# KiCad board ProDocument_ZYNQ7020_V1_2024-04-10.kicad_pcb (continued)
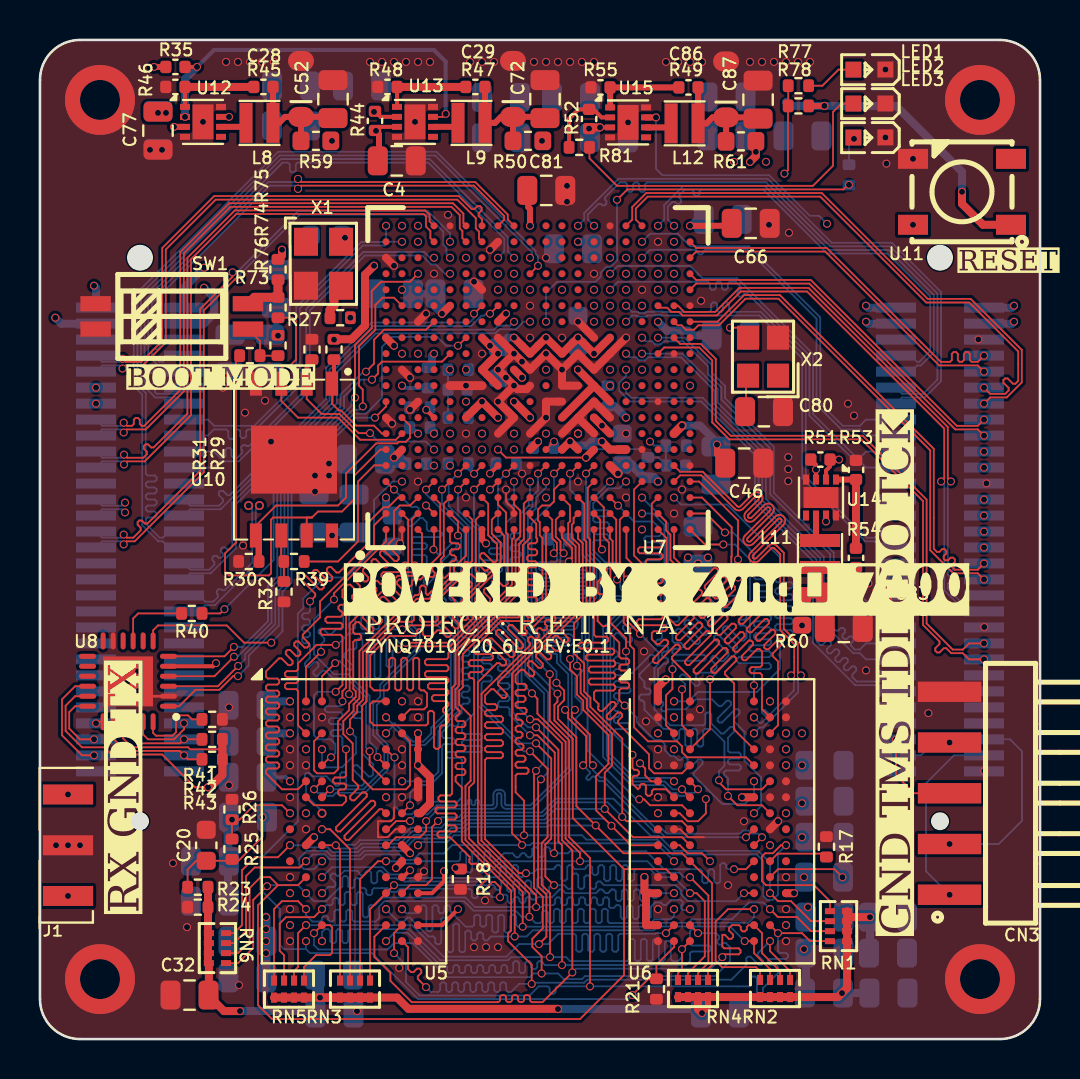
[diagram p0: board, top side]
## Routing (per net, layer and track width the routed paths; a pad name or vN(x,y) marks a point on that pad's centre or on a via; arc(x,y) is an arc through that point) (continued)
DDR_A13: length 59.1
  TOP_GND w0.09: v1(24.5,14.4) 25.38,13.52 25.38,10.11 25.08,9.81 25.08,7.71 25.5,7.3 v1(25.5,4.1) ; U7.D4 v1(19.3,27.5) ; RN4.1 31.9,3.3 32.1,3.5 v1(32.1,4.5) U6.T3
  BOTTOM w0.09: v1(24.5,14.4) 24.2,14.4 21.9,16.7 21.9,20.8 21.23,21.46 21.23,25.34 19.3,27.27 v1(19.3,27.5) ; v1(32.1,4.5) 32.1,4.1 31.9,3.9 31.63,3.9 31.54,3.99 31.54,4.82 31.45,4.91 31.33,4.91 31.24,4.82 31.24,3.99 31.15,3.9 31.03,3.9 30.94,3.99 30.94,4.92 30.85,5.01 30.73,5.01 30.64,4.92 30.64,3.99 30.55,3.9 30.43,3.9 30.34,3.99 30.34,4.92 30.25,5.01 30.13,5.01 30.04,4.92 30.04,3.99 29.95,3.9 29.83,3.9 29.74,3.99 29.74,4.92 29.65,5.01 29.53,5.01 29.44,4.92 29.44,3.99 29.35,3.9 26.5,3.9 26.3,4.1 v1(25.5,4.1) 23.55,4.1 23.4,3.95 20.01,3.94 18.45,5.5 15.5,5.5 15.41,5.41 15.41,4.89 15.32,4.8 15.2,4.8 15.11,4.89 15.11,5.41 15.02,5.5 14.9,5.5 14.81,5.41 14.81,4.89 14.72,4.8 14.6,4.8 14.51,4.89 14.51,5.41 14.42,5.5 14.25,5.5 14.1,5.35 v1(14.1,4.9)
DDR_A14: length 57.5
  TOP_GND w0.09: v1(35.23,4.9) U6.T7 35.7,4.3 36.5,3.5 RN2.2 ; v1(26.1,3.7) 26.1,9.7 25.92,9.88 25.92,14.48 v1(24.8,15.6) ; U7.F4 v1(20.9,27.5)
  BOTTOM w0.09: v1(24.8,15.6) 24.4,15.6 23.66,16.34 23.66,19.81 21.78,21.69 21.77,25.59 20.9,26.46 v1(20.9,27.5) ; v1(35.23,4.9) 34.5,5.63 32.73,5.64 32.5,5.4 32.5,4.8 arc(32.54,4.72) 32.62,4.68 33.42,4.68 arc(33.5,4.64) 33.54,4.56 33.54,4.5 arc(33.5,4.42) 33.42,4.38 32.62,4.38 arc(32.54,4.34) 32.5,4.26 32.5,3.9 32.3,3.7 v1(26.1,3.7) 25.25,3.7 25.16,3.79 25.16,3.81 25.07,3.9 24.95,3.9 24.86,3.81 24.86,3.59 24.77,3.5 24.65,3.5 24.56,3.59 24.56,3.81 24.47,3.9 24.35,3.9 24.26,3.81 24.26,3.39 24.17,3.3 24.05,3.3 23.96,3.39 23.96,3.81 23.87,3.9 23.75,3.9 23.66,3.81 23.66,3.39 23.57,3.3 23.45,3.3 23.36,3.39 23.36,3.61 23.27,3.7 23.15,3.7 23.06,3.61 23.06,3.39 22.97,3.3 22.85,3.3 22.76,3.39 22.76,3.61 22.67,3.7 22.55,3.7 22.46,3.61 22.46,3.39 22.37,3.3 22.25,3.3 22.16,3.39 22.16,3.61 22.07,3.7 21.95,3.7 21.86,3.61 21.86,3.39 21.77,3.3 21.65,3.3 21.56,3.39 21.56,3.61 21.47,3.7 21.35,3.7 21.26,3.61 21.26,3.39 21.17,3.3 21.05,3.3 20.96,3.39 20.96,3.61 20.87,3.7 20.75,3.7 20.66,3.61 20.66,3.39 20.57,3.3 20.45,3.3 20.36,3.39 20.36,3.61 20.27,3.7 20,3.7 18.38,5.32 17.72,5.32 v1(17.3,4.9)
DDR_BA0: length 64.2
  TOP_GND w0.09: 11.9,7.7 11.5,8.1 11.02,8.1 10.48,7.55 10.48,4.88 9.9,4.3 RN6.3 ; 11.9,7.7 10.9,6.7 10.9,1.7 11.6,1 27,1 29.2,3.2 29.2,8.5 ; 11.9,7.7 12.9,7.7 U5.M2 ; 29.2,8.5 31.3,8.5 U6.M2 ; 29.2,8.5 26.64,11.06 26.64,15.02 25.72,15.94 25.72,16.72 25.87,16.88 v1(25.87,17.28) ; U7.L5 v1(24.9,28.3)
  BOTTOM w0.09: v1(24.9,28.3) 24.9,27.45 24.62,27.17 24.62,26.64 24.22,26.23 24.22,20.52 24.62,20.12 24.62,18.54 v1(25.87,17.28)
DDR_BA1: length 45.6
  TOP_GND w0.09: RN1.3 38.55,5.9 37.55,6.9 36.9,6.9 v1(36.5,7.3) ; U5.N8 18.5,7.7 19.3,7.7 19.6,8 19.6,10.61 v1(19.9,10.91)
  BOTTOM w0.09: 26.8,12.03 25.77,12.03 25.09,11.34 21.18,11.34 20.94,11.1 20.09,11.1 v1(19.9,10.91) ; 26.8,12.03 26.8,16.06 27.08,16.34 27.08,16.82 26.77,17.13 26.77,18.07 27.2,18.5 27.2,19.5 27.46,19.76 27.46,21.46 28,22 28,23.86 27.48,24.38 27.48,26.88 v1(28.5,27.9) ; 26.8,12.03 28.67,12.03 30.54,10.16 30.95,10.16 31.69,9.42 35.91,9.42 36.5,8.83 v1(36.5,7.3)
DDR_BA2: length 52.2
  TOP_GND w0.09: U7.J5 v1(23.3,28.3) ; v1(24.6,17.3) 24.87,17.03 24.87,16.28 26.28,14.87 26.28,10.03 27,9.31 v1(27,8.9) ; RN4.3 32.9,3.3 33.42,3.82 33.42,7.18 v1(32.5,8.1)
  BOTTOM w0.09: v1(23.3,28.3) 22.9,27.9 22.9,25.55 22.99,25.46 23.01,25.46 23.1,25.37 23.1,25.25 23.01,25.16 22.7,25.16 22.61,25.07 22.61,24.95 22.7,24.86 23.01,24.86 23.1,24.77 23.1,24.65 23.01,24.56 22.55,24.56 22.46,24.47 22.46,24.35 22.55,24.26 23.01,24.26 23.1,24.17 23.1,24.05 23.01,23.96 22.25,23.96 22.16,23.87 22.16,23.75 22.25,23.66 23.01,23.66 23.1,23.57 23.1,23.45 23.01,23.36 22.26,23.36 22.17,23.27 22.17,23.15 22.26,23.06 22.81,23.06 22.9,22.97 22.9,21.07 24.08,19.89 24.08,17.82 v1(24.6,17.3) ; v1(14.1,8.1) 14.6,8.6 17.13,8.6 17.5,8.23 17.97,8.23 18.02,8.18 18.17,8.18 18.29,8.06 22.21,8.06 22.43,8.28 22.43,8.28 23.05,8.9 v1(27,8.9) 30.36,8.9 30.94,8.32 31.98,8.32 32.2,8.1 v1(32.5,8.1)
DDR_CAS: length 45.7
  TOP_GND w0.09: U6.K3 32.1,10.1 29.65,10.1 v1(28.24,11.51) 28.24,13.33 28.6,13.69 28.6,15.29 27.34,16.55 27.34,17.01 27.03,17.32 27.03,18.5 v1(26.85,18.68) ; RN3.1 15,9.48 v1(14.79,9.7) 14.78,9.7 U5.K3 ; U7.P5 v1(27.3,28.3)
  BOTTOM w0.09: v1(14.79,9.7) 14.94,9.54 15.83,9.54 16.07,9.77 17.99,9.77 18.61,10.4 20.13,10.4 20.48,10.74 21.09,10.74 21.33,10.98 25.23,10.98 25.77,11.51 v1(28.24,11.51) ; v1(26.85,18.68) 26.85,19.45 27.28,19.88 27.28,21.53 27.82,22.07 27.82,23.79 27.3,24.31 v1(27.3,28.3)
DDR_CKE: length 60.3
  TOP_GND w0.09: v1(24.2,10.2) 24.2,11.93 23.78,12.35 23.78,13.19 23.87,13.28 24.33,13.28 24.42,13.37 24.42,13.49 24.33,13.58 23.87,13.58 23.78,13.67 23.78,13.79 23.87,13.88 24.18,13.88 24.27,13.97 24.27,14.09 24.18,14.18 23.87,14.18 23.78,14.27 23.78,14.39 23.87,14.48 24.08,14.48 24.17,14.57 24.17,14.69 24.08,14.78 23.87,14.78 23.78,14.87 23.78,14.99 23.87,15.08 24.03,15.08 24.12,15.17 24.12,15.29 24.03,15.38 23.87,15.38 23.78,15.47 23.78,15.59 23.87,15.68 24.03,15.68 24.12,15.77 24.12,15.89 24.03,15.98 23.87,15.98 23.78,16.07 23.78,16.19 23.87,16.28 24.23,16.28 24.32,16.37 24.32,16.49 24.23,16.58 23.87,16.58 23.78,16.67 23.78,16.79 23.87,16.88 24.18,16.88 24.27,16.97 24.27,17.09 24.18,17.18 23.87,17.18 23.78,17.27 23.78,17.39 23.87,17.48 24.23,17.48 24.32,17.57 24.32,17.69 24.23,17.78 23.87,17.78 23.78,17.87 23.78,18.22 24.05,18.48 24.17,18.48 24.5,18.15 24.63,18.15 24.71,18.24 24.71,18.37 24.38,18.69 24.38,18.82 24.47,18.91 24.6,18.91 24.92,18.58 25.05,18.58 25.14,18.66 25.14,18.79 24.81,19.12 24.81,19.25 24.89,19.33 25.02,19.33 25.35,19 25.48,19 25.56,19.09 25.56,19.21 25.23,19.54 25.23,19.67 25.32,19.75 25.45,19.75 25.77,19.43 25.9,19.43 25.99,19.51 25.99,19.64 25.66,19.97 25.66,20.09 25.74,20.18 25.87,20.18 26.2,19.85 26.32,19.85 26.41,19.94 26.41,20.06 26.08,20.39 26.08,20.52 27.32,21.76 27.32,24.88 27.21,24.99 27.21,26.79 U7.N3 ; v1(37.3,9.7) 37.05,9.7 36.65,9.3 36.26,9.3 36.1,9.14 36.1,7.9 36.3,7.7 38.7,7.7 39.5,6.9 RN1.4
  BOTTOM w0.09: v1(18.9,9.7) 19.05,9.86 20.36,9.85 20.7,10.2 v1(24.2,10.2) 27.1,10.2 27.32,9.98 30.87,9.98 31.62,9.23 35.84,9.23 36.16,8.91 36.16,7.16 36.36,6.96 36.64,6.96 36.9,7.23 36.9,9.3 v1(37.3,9.7)
DDR_CLK_N: length 60.7
  TOP_GND w0.09: U6.K7 v1(36.1,10.1) ; v1(27.64,13.7) 27.49,13.85 27.49,15.24 26.59,16.14 26.59,16.32 v1(26.74,16.47) ; v1(26.18,24.31) 26.03,24.47 26.03,24.9 25.79,25.14 25.79,25.99 U7.M2 ; U5.K7 17.4,9.7 17.8,10.1 19,10.1 19.31,10.41 v1(19.31,10.91)
  BOTTOM w0.09: v1(27.64,13.7) 27.64,13.46 28.02,13.09 28.24,13.09 30.81,10.52 31.1,10.52 31.34,10.28 35.01,10.28 35.16,10.44 35.44,10.44 35.59,10.28 35.92,10.28 v1(36.1,10.1) ; v1(26.18,24.31) 26.22,24.31 ; v1(26.18,24.31) 26.18,24.76 R22.2 ; v1(26.18,24.31) 26.03,24.16 26.03,23.94 arc(25.95,23.76) 25.78,23.69 25.04,23.69 arc(24.99,23.67) 24.97,23.62 24.97,23.54 arc(24.99,23.49) 25.04,23.47 27.19,23.47 arc(27.36,23.39) 27.44,23.22 27.44,23.14 arc(27.36,22.96) 27.19,22.89 25.04,22.89 arc(24.99,22.87) 24.97,22.82 24.97,22.74 arc(24.99,22.69) 25.04,22.67 27.19,22.67 arc(27.36,22.59) 27.44,22.42 27.44,22.34 arc(27.36,22.16) 27.19,22.09 25.04,22.09 arc(24.99,22.07) 24.97,22.02 24.97,21.94 arc(24.99,21.89) 25.04,21.87 26.64,21.87 arc(26.81,21.79) 26.89,21.62 26.89,21.54 arc(26.81,21.36) 26.64,21.29 25.04,21.29 arc(24.99,21.27) 24.97,21.22 24.97,21.14 arc(24.99,21.09) 25.04,21.07 26.64,21.07 arc(26.81,20.99) 26.89,20.82 26.89,20.74 arc(26.81,20.56) 26.64,20.49 25.44,20.49 arc(25.39,20.47) 25.37,20.42 25.37,20.34 arc(25.39,20.29) 25.44,20.27 26.44,20.27 arc(26.61,20.19) 26.69,20.02 26.69,19.94 arc(26.61,19.76) 26.44,19.69 25.44,19.69 arc(25.39,19.67) 25.37,19.62 25.37,19.54 arc(25.39,19.49) 25.44,19.47 25.78,19.47 arc(25.95,19.39) 26.03,19.22 26.03,18.9 26.59,18.34 26.59,16.63 v1(26.74,16.47) 26.59,16.32 26.59,13.51 24.6,11.52 23.32,11.52 arc(23.14,11.59) 23.07,11.77 23.07,12.23 arc(23.05,12.28) 23,12.3 22.92,12.3 arc(22.87,12.28) 22.85,12.23 22.85,11.77 arc(22.78,11.59) 22.6,11.52 19.92,11.52 v1(19.31,10.91)
DDR_CLK_P: length 60.7
  TOP_GND w0.09: v1(18.5,10.91) 17.81,10.91 17.4,10.5 U5.J7 ; U6.J7 v1(35.3,10.1) ; v1(27.15,13.7) 27.31,13.85 27.31,15.16 26.41,16.06 26.41,16.32 v1(26.25,16.47) ; v1(25.69,24.31) 25.85,24.47 25.85,24.83 25.61,25.06 25.61,25.99 U7.L2
  BOTTOM w0.09: v1(18.5,10.91) 18.81,11.22 19.14,11.22 19.17,11.24 19.39,11.24 19.84,11.7 21.29,11.7 arc(21.35,11.72) 21.37,11.78 21.37,11.9 arc(21.39,11.96) 21.45,11.98 21.49,11.98 arc(21.55,11.96) 21.57,11.9 21.57,11.78 arc(21.59,11.72) 21.65,11.7 21.69,11.7 arc(21.75,11.72) 21.77,11.78 21.77,11.9 arc(21.79,11.96) 21.85,11.98 21.89,11.98 arc(21.95,11.96) 21.97,11.9 21.97,11.78 arc(21.99,11.72) 22.05,11.7 22.6,11.7 arc(22.65,11.72) 22.67,11.77 22.67,12.23 arc(22.74,12.4) 22.92,12.48 23,12.48 arc(23.18,12.4) 23.25,12.23 23.25,11.77 arc(23.27,11.72) 23.32,11.7 24.52,11.7 26.41,13.59 26.41,16.32 v1(26.25,16.47) 26.41,16.63 26.41,18.26 25.85,18.83 25.85,19.22 arc(25.82,19.27) 25.78,19.29 25.44,19.29 arc(25.26,19.36) 25.19,19.54 25.19,19.62 arc(25.26,19.79) 25.44,19.87 26.44,19.87 arc(26.48,19.89) 26.51,19.94 26.51,20.02 arc(26.48,20.07) 26.44,20.09 25.44,20.09 arc(25.26,20.16) 25.19,20.34 25.19,20.42 arc(25.26,20.59) 25.44,20.67 26.64,20.67 arc(26.68,20.69) 26.71,20.74 26.71,20.82 arc(26.68,20.87) 26.64,20.89 25.04,20.89 arc(24.86,20.96) 24.79,21.14 24.79,21.22 arc(24.86,21.39) 25.04,21.47 26.64,21.47 arc(26.68,21.49) 26.71,21.54 26.71,21.62 arc(26.68,21.67) 26.64,21.69 25.04,21.69 arc(24.86,21.76) 24.79,21.94 24.79,22.02 arc(24.86,22.19) 25.04,22.27 27.19,22.27 arc(27.23,22.29) 27.26,22.34 27.26,22.42 arc(27.23,22.47) 27.19,22.49 25.04,22.49 arc(24.86,22.56) 24.79,22.74 24.79,22.82 arc(24.86,22.99) 25.04,23.07 27.19,23.07 arc(27.23,23.09) 27.26,23.14 27.26,23.22 arc(27.23,23.27) 27.19,23.29 25.04,23.29 arc(24.86,23.36) 24.79,23.54 24.79,23.62 arc(24.86,23.79) 25.04,23.87 25.78,23.87 arc(25.82,23.89) 25.85,23.94 25.85,24.16 v1(25.69,24.31) 25.69,24.73 R22.1 ; v1(35.3,10.1) 31.26,10.1 31.02,10.34 30.73,10.34 28.16,12.91 27.94,12.91 27.73,13.13 arc(27.67,13.15) 27.62,13.13 27.48,12.99 arc(27.42,12.96) 27.36,12.99 27.34,13.01 arc(27.31,13.07) 27.34,13.13 27.48,13.27 arc(27.5,13.32) 27.48,13.38 v1(27.15,13.7)
DDR_CS: length 44.4
  TOP_GND w0.09: U7.N1 26.9,25.05 27.14,24.81 27.14,21.83 23.6,18.29 23.6,10.3 24.1,9.8 v1(24.1,9.71) ; RN6.2 9.7,4.8 10.3,5.4 10.3,8.15 10.73,8.59 12.98,8.58 v1(13.3,8.9)
  BOTTOM w0.09: v1(31.7,8.9) 30.8,9.8 24.6,9.8 24.51,9.71 v1(24.1,9.71) 20.61,9.71 20.18,9.28 18.98,9.28 18.66,8.97 18.23,8.96 17.96,9.23 16.29,9.23 16.05,9 14.47,9 14.24,9.23 13.64,9.23 v1(13.3,8.9)
DDR_D0: length 26.9
  TOP_GND w0.09: U7.C3 18.5,26.7 17.98,26.7 17.7,26.42 17.7,25.05 17.42,24.78 17.42,24.65 17.93,24.14 17.93,24.01 17.85,23.93 17.72,23.93 17.21,24.44 17.09,24.44 17,24.35 17,24.22 17.4,23.82 17.4,23.69 17.32,23.61 17.19,23.61 16.79,24.01 16.66,24.01 16.58,23.93 16.58,23.8 16.84,23.54 16.84,23.41 16.75,23.33 16.63,23.33 16.36,23.59 16.24,23.59 16.15,23.5 16.15,23.37 16.41,23.11 16.41,22.99 16.33,22.9 16.2,22.9 15.94,23.16 15.81,23.16 15.73,23.08 15.73,22.95 15.99,22.69 15.99,22.56 15.9,22.48 15.78,22.48 15.52,22.74 15.39,22.74 15.12,22.47 15.12,22.12 15.25,22 15.25,21.8 15.19,21.73 15.01,21.73 14.92,21.64 14.92,21.52 15.01,21.43 15.03,21.43 15.12,21.34 15.12,21.22 15.03,21.13 14.36,21.13 14.27,21.04 14.27,20.92 14.36,20.83 15.03,20.83 15.12,20.74 15.12,20.62 15.03,20.53 14.11,20.53 14.02,20.44 14.02,20.32 14.11,20.23 15.03,20.23 15.12,20.14 15.12,17.72 v1(14.78,17.38) ; U5.E3 14.5,14.1 v1(14.55,14.1)
  BOTTOM w0.09: v1(14.78,17.38) 13.88,17.38 13.7,17.2 13.7,15.2 13.9,15 14.53,15 14.77,14.77 14.77,14.32 v1(14.55,14.1)
DDR_D1: length 26.9
  TOP_GND w0.09: U7.B3 17.9,27.1 17.41,26.61 17.17,26.61 16.4,25.84 16.4,24.8 14.95,23.35 14.82,23.35 14.56,23.62 14.43,23.62 14.34,23.53 14.34,23.41 14.61,23.14 14.61,23.01 14.53,22.93 14.4,22.93 13.85,23.48 13.72,23.48 13.64,23.39 13.64,23.26 14.19,22.71 14.19,22.59 14.1,22.5 13.97,22.5 13.14,23.33 13.01,23.33 12.93,23.25 12.93,23.12 13.76,22.29 13.76,22.16 v1(13.5,21.9) ; v1(16.48,14.4) 16.48,13.72 U5.F7
  BOTTOM w0.09: v1(16.48,14.4) 16.3,14.58 16.3,17.1 15.33,18.07 14.63,18.07 14.26,18.44 14.14,18.44 13.88,18.18 13.75,18.18 13.67,18.27 13.67,18.39 13.92,18.65 13.92,18.78 13.84,18.86 13.71,18.86 13.46,18.61 13.33,18.61 13.25,18.69 13.25,18.82 13.5,19.07 13.5,19.72 13.41,19.81 13.2,19.81 13.11,19.9 13.11,20.02 13.2,20.11 13.41,20.11 13.5,20.2 13.5,20.32 13.41,20.41 13.2,20.41 13.11,20.5 13.11,20.62 13.2,20.71 13.41,20.71 13.5,20.8 13.5,20.92 13.41,21.01 13.2,21.01 13.11,21.1 13.11,21.22 13.2,21.31 13.41,21.31 13.5,21.4 v1(13.5,21.9)
DDR_D2: length 30
  TOP_GND w0.09: U7.A2 16.7,25.7 16.7,24.6 14,21.9 14,21.1 13.14,20.24 13.14,20.11 13.44,19.81 13.44,19.68 13.36,19.59 13.23,19.59 12.93,19.9 12.8,19.9 12.71,19.81 12.71,19.69 13.02,19.38 13.02,19.25 12.93,19.17 12.81,19.17 12.5,19.47 12.37,19.47 12.29,19.39 12.29,19.26 12.63,18.92 12.63,18.79 12.54,18.71 12.42,18.71 12.08,19.05 11.95,19.05 11.3,18.4 11.3,18.13 11.39,18.04 11.87,18.04 11.96,17.95 11.96,17.83 11.87,17.74 11.39,17.74 11.3,17.65 11.3,17.53 11.39,17.44 11.87,17.44 11.96,17.35 11.96,17.23 11.87,17.14 11.39,17.14 11.3,17.05 11.3,16.93 11.39,16.84 11.87,16.84 11.96,16.75 11.96,16.63 11.87,16.54 11.39,16.54 11.3,16.45 11.3,16.33 11.39,16.24 11.87,16.24 11.96,16.15 11.96,16.03 11.87,15.94 11.39,15.94 11.3,15.85 11.3,15.73 11.39,15.64 11.87,15.64 11.96,15.55 11.96,15.43 11.87,15.34 11.39,15.34 11.3,15.25 11.3,15.13 11.39,15.04 11.87,15.04 11.96,14.95 11.96,14.83 11.87,14.74 11.39,14.74 11.3,14.65 11.3,14.53 11.39,14.44 11.87,14.44 11.96,14.35 11.96,14.23 11.87,14.14 11.39,14.14 11.3,14.05 11.3,13.93 11.39,13.84 11.87,13.84 11.96,13.75 11.96,13.63 11.87,13.54 11.39,13.54 11.3,13.45 11.3,13.3 12.1,12.5 12.9,12.5 U5.F2
DDR_D3: length 26.9
  TOP_GND w0.09: U7.A4 v1(17.7,27.5)
  BOTTOM w0.09: v1(18.1,12.9) 19.45,12.9 19.92,13.37 19.92,15.42 20.9,16.4 20.9,20.7 20.3,21.3 20.3,21.97 20.21,22.06 19.64,22.06 19.55,22.15 19.55,22.27 19.64,22.36 20.21,22.36 20.3,22.45 20.3,22.8 20.14,22.96 20.14,23.09 20.16,23.1 20.16,23.23 20.07,23.32 19.94,23.32 19.39,22.77 19.27,22.77 19.18,22.85 19.18,22.98 19.59,23.39 19.59,23.51 19.34,23.76 19.34,24.13 19.25,24.22 18.68,24.22 18.59,24.31 18.59,24.43 18.68,24.52 19.25,24.52 19.34,24.61 19.34,24.73 19.25,24.82 18.68,24.82 18.59,24.91 18.59,25.03 18.68,25.12 20,25.12 20.09,25.21 20.09,25.33 20,25.42 19.43,25.42 19.34,25.51 19.34,25.86 19.13,26.07 19,26.07 18.59,25.67 18.47,25.67 18.38,25.75 18.38,25.88 18.93,26.43 18.93,26.56 18.85,26.64 18.72,26.64 18.7,26.62 18.57,26.62 v1(17.7,27.5)
DDR_D4: length 26.9
  TOP_GND w0.09: U7.D3 20.01,26.79 20.01,24.24 18.96,23.19 17.89,23.19 15.48,20.78 15.48,17.29 v1(15.45,17.26)
  BOTTOM w0.09: v1(15.45,17.26) 16.12,16.6 16.12,16.45 16.03,16.36 15.75,16.36 15.66,16.27 15.66,16.15 15.75,16.06 16.03,16.06 16.12,15.97 16.12,14.29 16.65,13.76 16.65,13.23 16.56,13.14 16.43,13.14 15.87,13.7 15.74,13.7 15.66,13.62 15.66,13.49 16.22,12.93 16.22,12.8 16.1,12.68 15.4,12.68 15.31,12.77 15.31,13.26 15.22,13.35 15.1,13.35 15.01,13.26 15.01,12.77 14.92,12.68 14.79,12.68 14.32,13.15 13.62,13.15 13.45,13.32 13.32,13.32 13.24,13.24 13.24,13.11 13.41,12.94 13.41,12.81 13.3,12.7 13.3,12.2 14.1,11.4 v2(14.1,11.3)
DDR_D5: length 26.9
  TOP_GND w0.09: U7.D1 19.7,24.53 v1(19.67,24.5) ; v1(18.5,11.7) U5.H8
  BOTTOM w0.09: v1(19.67,24.5) 19.91,24.26 20.04,24.26 20.62,24.84 20.75,24.84 20.83,24.76 20.83,24.63 19.93,23.73 19.93,23.6 20.02,23.52 20.15,23.52 20.65,24.03 20.78,24.03 20.87,23.94 20.87,23.82 20.68,23.63 20.68,23.5 20.88,23.3 20.88,22.95 20.79,22.86 20.62,22.86 20.53,22.77 20.53,22.65 20.62,22.56 20.79,22.56 20.88,22.47 20.88,22.35 20.79,22.26 20.57,22.26 20.48,22.17 20.48,22.05 20.57,21.96 20.79,21.96 20.88,21.87 20.88,21.75 20.79,21.66 20.62,21.66 20.53,21.57 20.53,21.45 20.62,21.36 20.79,21.36 20.88,21.27 20.88,20.98 21.17,20.68 21.39,20.68 21.48,20.59 21.48,20.47 21.39,20.38 21.17,20.38 21.08,20.29 21.08,20.17 21.17,20.08 21.39,20.08 21.48,19.99 21.48,19.87 21.39,19.78 21.17,19.78 21.08,19.69 21.08,19.57 21.17,19.48 21.39,19.48 21.48,19.39 21.48,19.27 21.39,19.18 21.17,19.18 21.08,19.09 21.08,18.97 21.17,18.88 21.39,18.88 21.48,18.79 21.48,18.67 21.39,18.58 21.17,18.58 21.08,18.49 21.08,18.37 21.17,18.28 21.39,18.28 21.48,18.19 21.48,18.07 21.39,17.98 21.17,17.98 21.08,17.89 21.08,17.77 21.17,17.68 21.39,17.68 21.48,17.59 21.48,17.47 21.39,17.38 21.17,17.38 21.08,17.29 21.08,17.17 21.17,17.08 21.39,17.08 21.48,16.99 21.48,16.87 21.39,16.78 21.17,16.78 21.08,16.69 21.08,16.32 20.83,16.08 20.83,15.95 20.92,15.86 20.92,15.74 20.83,15.65 20.71,15.65 20.62,15.74 20.49,15.74 20.1,15.34 20.1,15.15 20.19,15.06 20.65,15.06 20.74,14.97 20.74,14.85 20.65,14.76 20.19,14.76 20.1,14.67 20.1,13.3 19.52,12.72 18.92,12.72 18.5,12.3 v1(18.5,11.7)
DDR_D6: length 26.9
  TOP_GND w0.09: U7.C1 19.1,25.3 19.1,23.58 18.88,23.37 17.17,23.37 17.07,23.28 17.07,23.15 17.24,22.98 17.24,22.85 17.16,22.77 17.03,22.77 16.86,22.94 16.74,22.94 16.65,22.85 16.65,22.72 16.82,22.56 16.82,22.43 16.73,22.34 16.61,22.34 16.44,22.51 16.31,22.51 16.23,22.43 16.23,22.3 16.39,22.13 16.39,22 16.31,21.92 16.18,21.92 15.83,22.28 15.7,22.28 15.61,22.19 15.61,22.06 15.97,21.71 15.97,21.58 15.88,21.5 15.76,21.5 15.59,21.66 15.46,21.66 15.3,21.5 15.3,17.59 15.12,17.4 v1(15.12,16.9) ; v1(15.3,14.5) 15.3,13.18 15.21,13.09 14.75,13.09 14.66,13 14.66,12.88 14.75,12.79 15.21,12.79 15.3,12.7 15.3,12.58 15.21,12.49 15,12.49 14.91,12.4 14.91,12.28 15,12.19 15.21,12.19 15.3,12.1 15.3,11.9 15.1,11.7 13.7,11.7 U5.G2
  BOTTOM w0.09: v1(15.3,14.5) 15.12,14.68 15.12,15.07 15.03,15.16 14.64,15.16 14.55,15.25 14.55,15.37 14.64,15.46 15.03,15.46 15.12,15.55 15.12,15.67 15.03,15.76 14.54,15.76 14.45,15.85 14.45,15.97 14.54,16.06 15.03,16.06 15.12,16.15 15.12,16.27 15.03,16.36 14.34,16.36 14.25,16.45 14.25,16.57 14.34,16.66 15.03,16.66 15.12,16.75 v1(15.12,16.9)
DDR_D7: length 30
  TOP_GND w0.09: U7.E1 20.5,24.9 20.59,24.81 20.9,24.81 20.99,24.72 20.99,24.6 20.9,24.51 20.59,24.51 20.5,24.42 20.5,24.3 20.59,24.21 20.7,24.21 20.79,24.12 20.79,24 20.7,23.91 20.59,23.91 20.5,23.82 20.5,23.34 20.25,23.09 20.13,23.09 20.11,23.1 19.98,23.1 19.9,23.02 19.9,22.89 19.91,22.88 19.91,22.75 19.38,22.22 19.29,22.31 19.29,22.6 19.2,22.69 19.08,22.69 18.99,22.6 18.99,22.31 18.9,22.22 18.76,22.22 15.97,19.42 15.97,17.05 15.68,16.76 15.68,16.43 15.16,15.91 15.16,15.26 15.63,14.79 15.63,12.97 15.91,12.69 15.91,12.56 15.51,12.16 15.51,12.03 15.59,11.95 15.72,11.95 16.12,12.35 16.25,12.35 16.34,12.26 16.34,12.14 14.8,10.6 14.8,10.47 14.89,10.39 15.01,10.39 16.55,11.92 16.68,11.92 16.76,11.84 16.76,11.71 15.23,10.18 15.23,10.05 15.31,9.97 15.44,9.97 16.97,11.5 17.1,11.5 U5.H7
DDR_D8: length 26.9
  TOP_GND w0.09: U5.D7 17.7,14.1 v1(17.72,14.1) ; U7.E2 20.9,25.9 v1(20.9,25.2)
  BOTTOM w0.09: v1(20.9,25.2) 21.05,25.05 21.06,21.39 21.7,20.75 21.7,16.3 21.1,15.7 21.1,15.36 21.19,15.27 22.01,15.27 22.1,15.18 22.1,15.06 22.01,14.97 21.19,14.97 21.1,14.88 21.1,14.76 21.19,14.67 22.01,14.67 22.1,14.58 22.1,14.46 22.01,14.37 20.39,14.37 20.3,14.28 20.3,14.16 20.39,14.07 21.01,14.07 21.1,13.98 21.1,12.1 20.88,11.88 19.42,11.88 18.97,11.43 18.77,11.43 18.59,11.25 18.15,11.25 17.72,11.68 v1(17.72,14.1)
DDR_D9: length 30
  TOP_GND w0.09: U5.C3 13.7,14.9 13.7,13.45 13.85,13.3 14.7,13.3 14.9,13.5 14.9,15.9 15.45,16.45 15.45,16.79 15.79,17.13 15.79,17.4 15.66,17.53 15.66,19.88 15.75,19.97 15.97,19.97 16.06,20.06 16.06,20.18 15.97,20.27 15.75,20.27 15.66,20.36 15.66,20.71 15.82,20.86 15.94,20.86 16.45,20.35 16.58,20.35 16.66,20.44 16.66,20.56 16.16,21.07 16.16,21.2 16.24,21.29 16.37,21.29 16.88,20.78 17,20.78 17.09,20.86 17.09,20.99 16.58,21.5 16.58,21.62 16.66,21.71 16.79,21.71 17.3,21.2 17.43,21.2 17.51,21.29 17.51,21.41 17,21.92 17,22.05 17.09,22.13 17.22,22.13 17.72,21.62 17.85,21.62 17.94,21.71 17.94,21.84 17.43,22.35 17.43,22.47 17.51,22.56 17.64,22.56 18.15,22.05 18.28,22.05 18.36,22.13 18.36,22.26 17.85,22.77 17.85,22.9 17.95,23 18.21,23 18.3,22.91 18.3,22.74 18.39,22.65 18.51,22.65 18.6,22.74 18.6,22.91 18.69,23 19.03,23 19.28,23.25 19.4,23.25 19.52,23.13 19.65,23.13 19.73,23.21 19.73,23.34 19.61,23.46 19.61,23.59 19.7,23.67 19.83,23.67 19.95,23.55 20.07,23.55 20.16,23.64 20.16,23.77 20.04,23.88 20.04,24.01 20.19,24.16 20.19,26.79 U7.E3
DDR_D10: length 30
  TOP_GND w0.09: U7.G3 22.41,26.79 22.41,25.22 22.85,24.78 22.85,23.95 22.77,23.88 22.65,23.88 22.21,24.31 22.08,24.31 22,24.23 22,24.1 22.44,23.66 22.44,23.54 22.35,23.45 22.22,23.45 22,23.68 21.87,23.68 21.79,23.59 21.79,23.46 22.01,23.24 22.01,23.11 21.93,23.03 21.8,23.03 21.57,23.25 21.45,23.25 21.36,23.17 21.36,23.04 21.59,22.81 21.59,22.69 21.5,22.6 21.37,22.6 21.15,22.83 21.02,22.83 20.94,22.74 20.94,22.61 21.16,22.39 21.16,22.26 21.08,22.18 20.95,22.18 20.73,22.4 20.6,22.4 20.51,22.32 20.51,22.19 20.74,21.97 20.74,21.84 20.65,21.75 20.53,21.75 20.51,21.77 20.38,21.77 20.3,21.68 20.3,21.56 20.31,21.54 20.31,21.41 20.23,21.33 20.1,21.33 20.09,21.34 19.96,21.34 19.88,21.26 19.88,21.13 19.89,21.12 19.89,20.99 19.78,20.88 19.08,20.88 18.99,20.97 18.99,21.59 18.9,21.68 18.78,21.68 18.69,21.59 18.69,20.97 18.6,20.88 17.94,20.88 16.33,19.28 16.33,16.9 16.1,16.67 16.1,13.03 16.63,12.5 18.3,12.5 18.5,12.7 18.5,14.9 U5.C8
DDR_D11: length 26.9
  TOP_GND w0.09: U7.H3 22.9,26.75 23.3,26.35 23.3,25.35 23.39,25.26 23.39,22.79 23.27,22.67 23.15,22.67 22.83,22.99 22.7,22.99 22.62,22.91 22.62,22.78 22.94,22.46 22.94,22.34 22.85,22.25 22.72,22.25 22.4,22.57 22.28,22.57 22.19,22.48 22.19,22.36 22.51,22.04 22.51,21.91 22.43,21.83 22.3,21.83 21.98,22.15 21.85,22.15 21.77,22.06 21.77,21.93 22.09,21.61 22.09,21.49 22,21.4 21.87,21.4 21.63,21.65 21.5,21.65 21.41,21.57 21.41,21.44 21.66,21.19 21.66,21.06 20.43,19.83 18.29,19.83 v1(18.29,19.83) ; v1(14.79,19.73) 13.83,19.73 12.9,18.8 12.9,18.5 12.81,18.41 12.34,18.41 12.25,18.32 12.25,18.2 12.34,18.11 12.81,18.11 12.9,18.02 12.9,17.9 12.81,17.81 12.34,17.81 12.25,17.72 12.25,17.6 12.34,17.51 12.81,17.51 12.9,17.42 12.9,15.7 U5.C2
  BOTTOM w0.09: v1(14.79,19.73) 14.87,19.73 15.45,20.3 17.5,20.3 17.97,19.83 v1(18.29,19.83)
DDR_D12: length 30
  TOP_GND w0.09: U7.J3 23.7,26.75 24.01,26.44 24.01,25.16 23.78,24.93 23.78,22.67 20.42,19.31 20.42,19.1 20.33,19.01 19.34,19.01 19.25,18.92 19.25,18.8 19.34,18.71 20.33,18.71 20.42,18.62 20.42,18.5 20.33,18.41 19.34,18.41 19.25,18.32 19.25,18.2 19.34,18.11 20.33,18.11 20.42,18.02 20.42,17.9 20.33,17.81 19.49,17.81 19.4,17.72 19.4,17.6 19.49,17.51 20.33,17.51 20.42,17.42 20.42,17.3 20.33,17.21 19.69,17.21 19.6,17.12 19.6,17 19.69,16.91 20.33,16.91 20.42,16.82 20.42,16.7 20.33,16.61 20.24,16.61 20.15,16.52 20.15,16.4 20.24,16.31 20.33,16.31 20.42,16.22 20.42,15.87 20.25,15.7 20.09,15.7 20,15.61 20,14.62 19.91,14.53 19.79,14.53 19.7,14.62 19.7,16.33 19.61,16.42 19.49,16.42 19.4,16.33 19.4,15.79 19.31,15.7 16.7,15.7 16.5,15.9 16.5,16.75 16.65,16.9 U5.A7
DDR_D13: length 26.9
  TOP_GND w0.09: 22.59,25.29 23.03,24.85 23.03,23.88 19.86,20.7 18.5,20.7 18.3,20.5 v1(18.11,20.5) ; 22.59,25.31 22.59,25.99 U7.H2 ; U5.A2 13.3,18.63 v1(14.05,19.38)
  BOTTOM w0.09: v1(14.05,19.38) 14.05,19.75 14.22,19.92 14.22,20.04 13.93,20.33 13.93,20.45 14.02,20.54 14.15,20.54 14.43,20.26 14.56,20.26 14.8,20.5 15.07,20.5 15.16,20.59 15.16,21.69 15.25,21.78 15.37,21.78 15.46,21.69 15.46,20.59 15.55,20.5 15.67,20.5 15.76,20.59 15.76,21.69 15.85,21.78 15.97,21.78 16.06,21.69 16.06,20.59 16.15,20.5 16.27,20.5 16.36,20.59 16.36,21.69 16.45,21.78 16.57,21.78 16.66,21.69 16.66,20.59 16.75,20.5 16.87,20.5 16.96,20.59 16.96,21.69 17.05,21.78 17.17,21.78 17.26,21.69 17.26,20.59 17.35,20.5 v1(18.11,20.5)
DDR_D14: length 30
  TOP_GND w0.09: U7.H1 23.21,25.19 23.21,23.8 21.05,21.65 21.05,21.52 21.39,21.19 21.39,21.06 21.3,20.97 21.17,20.97 20.84,21.31 20.71,21.31 20.63,21.22 20.63,21.09 20.96,20.76 20.96,20.63 20.88,20.55 20.75,20.55 20.42,20.88 20.29,20.88 20.21,20.8 20.21,20.67 20.54,20.34 20.54,20.21 20.45,20.12 20.33,20.12 19.99,20.46 19.87,20.46 19.58,20.17 19.23,20.17 19.14,20.26 19.14,20.43 19.05,20.52 18.93,20.52 18.84,20.43 18.84,20.26 18.75,20.17 17.48,20.17 16.51,19.2 16.51,17.64 16.7,17.45 17.37,17.45 17.46,17.54 17.46,18.99 17.55,19.08 17.67,19.08 17.76,18.99 17.76,17.54 17.85,17.45 17.97,17.45 18.06,17.54 18.06,18.99 18.15,19.08 18.27,19.08 18.36,18.99 18.36,17.54 18.45,17.45 18.57,17.45 18.66,17.54 18.66,18.99 18.75,19.08 18.87,19.08 18.96,18.99 18.96,17.54 19.05,17.45 19.2,17.45 19.35,17.3 19.35,16.65 19.2,16.5 18.5,16.5 U5.B8
